# Altium PCB STMF1.PcbDoc
Units mm, origin at the board's own origin, x right, y up, seen from the top; angles counter-clockwise.
Board outline 131.62 x 119.43 mm, 2 copper layers (Top Layer, Bottom Layer); 94 components, 177 nets, 333 pads, 142 vias.
Unrouted connection lines stored in the file: 1.
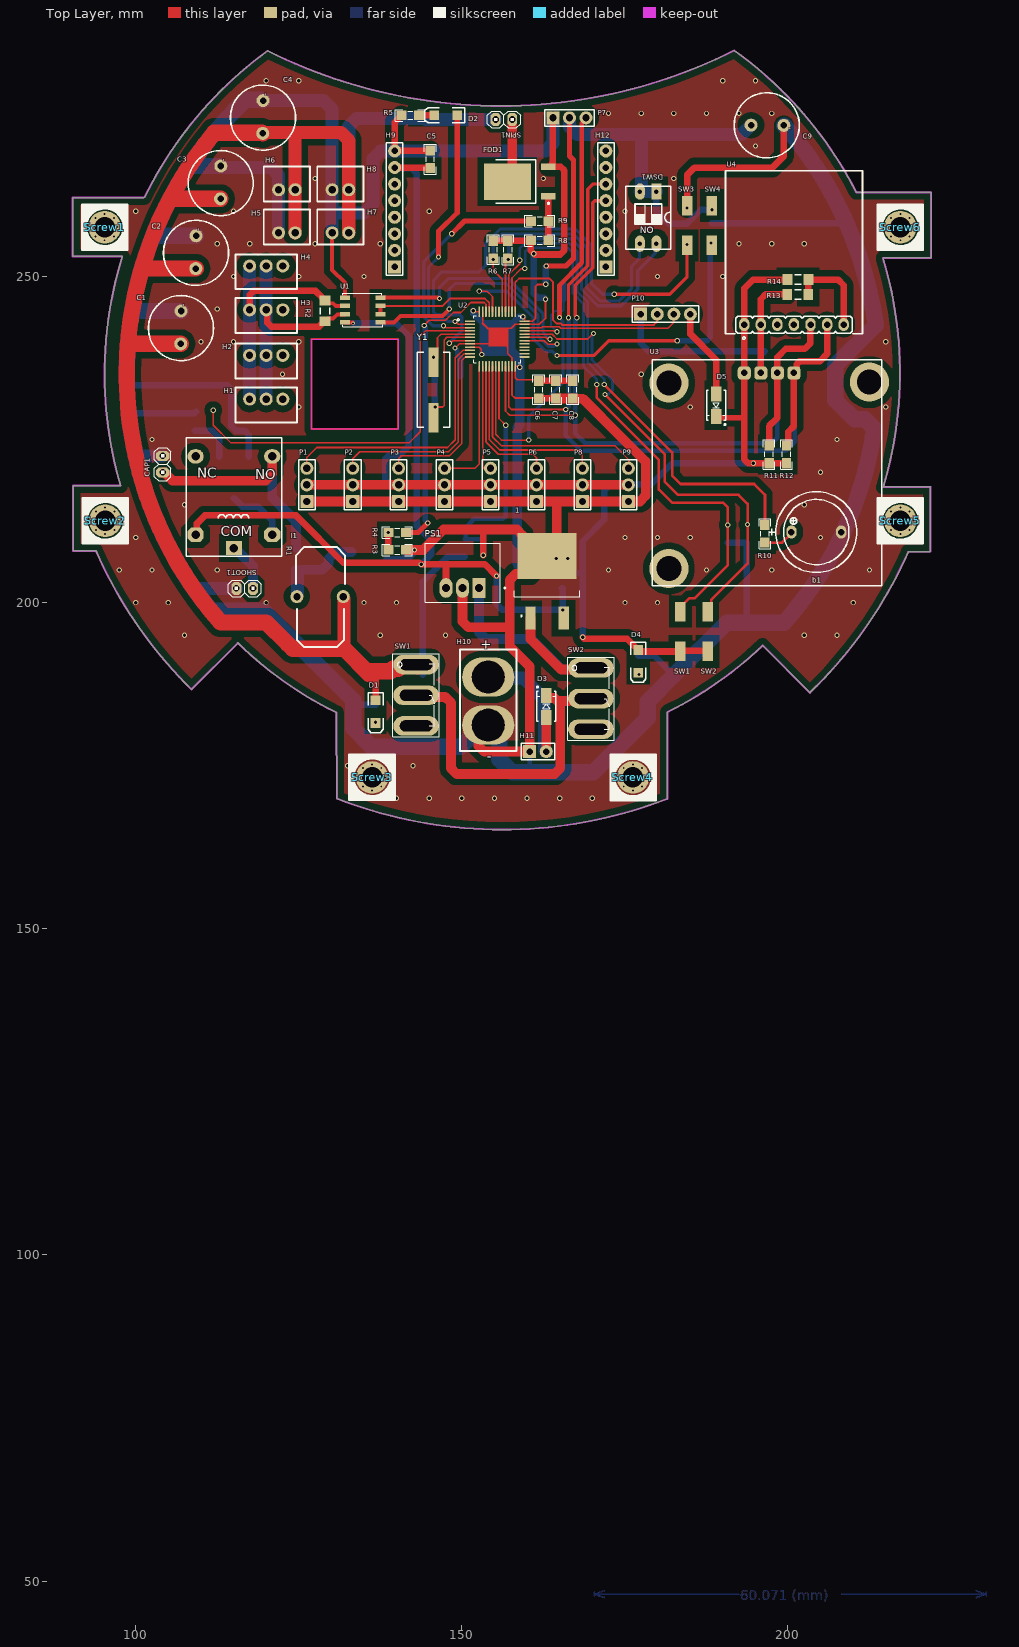
[diagram p0: Top Layer view]
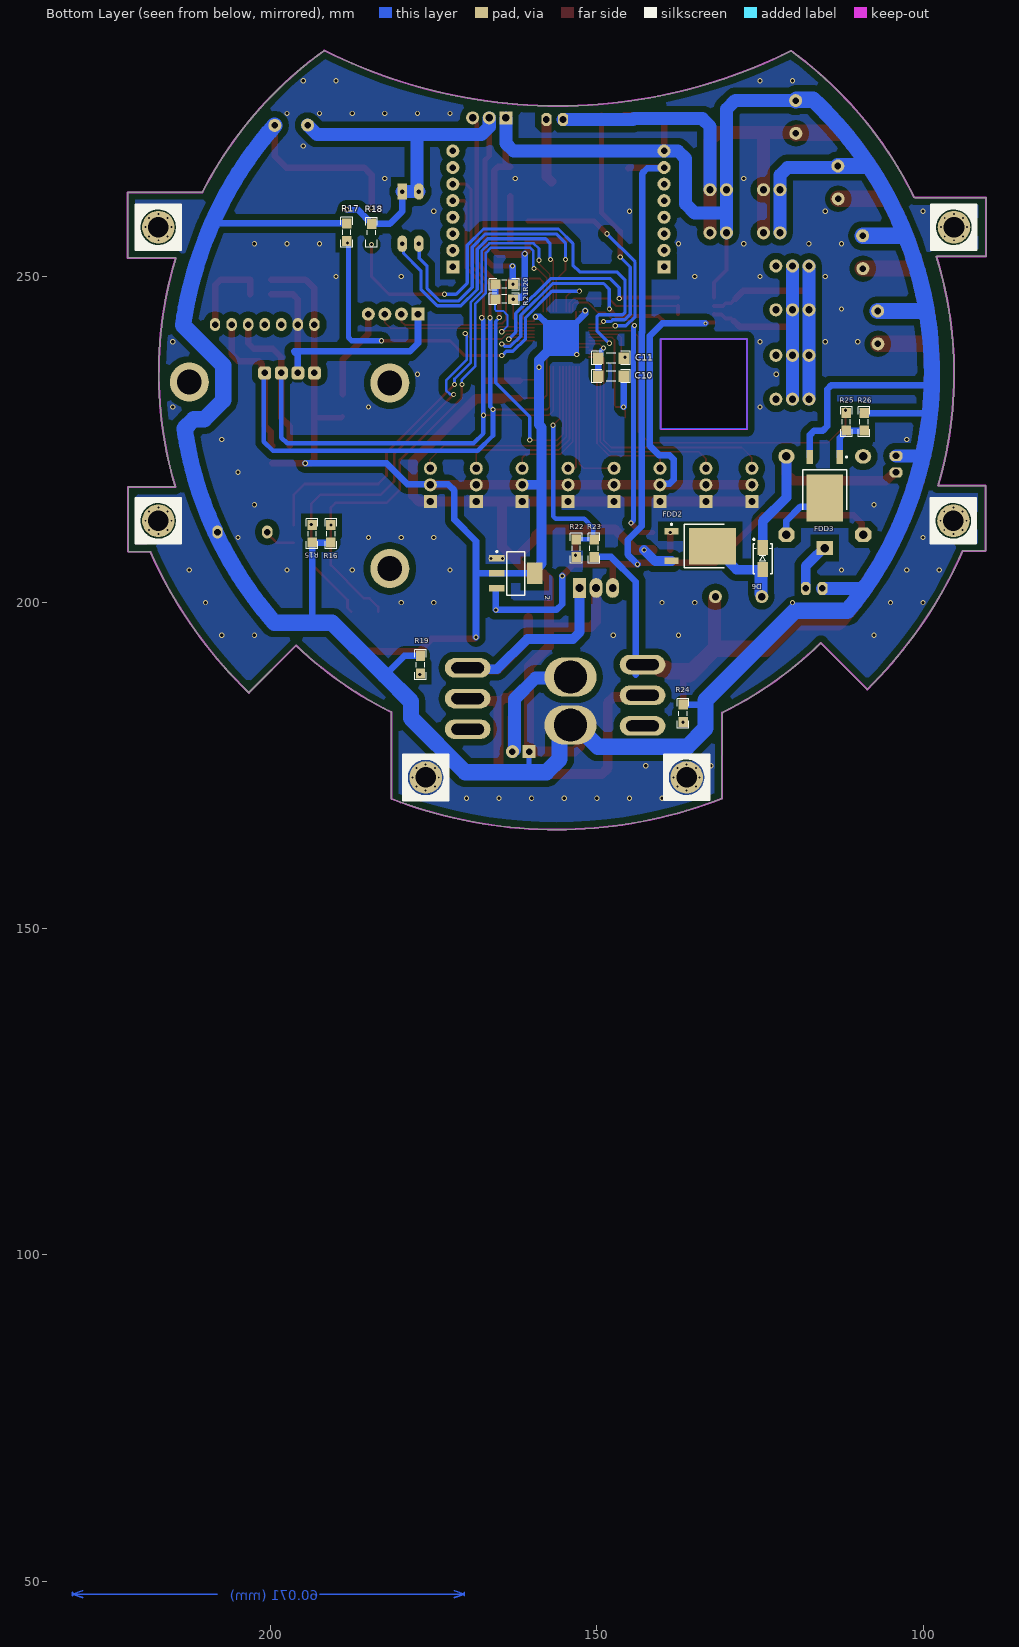
[diagram p1: Bottom Layer view, seen from below]
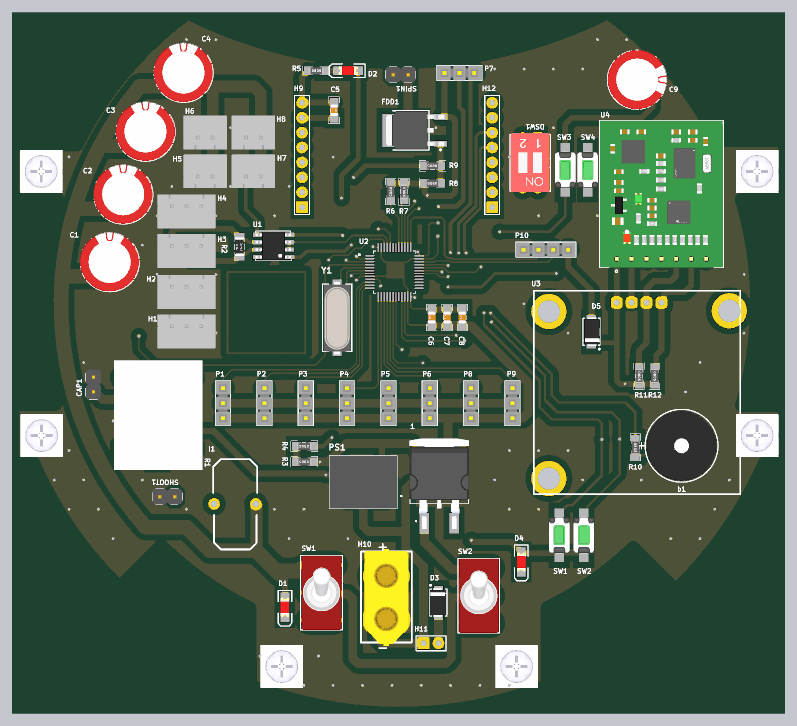
[diagram p2: 3D render of the assembled board from above, using the file's embedded part models]
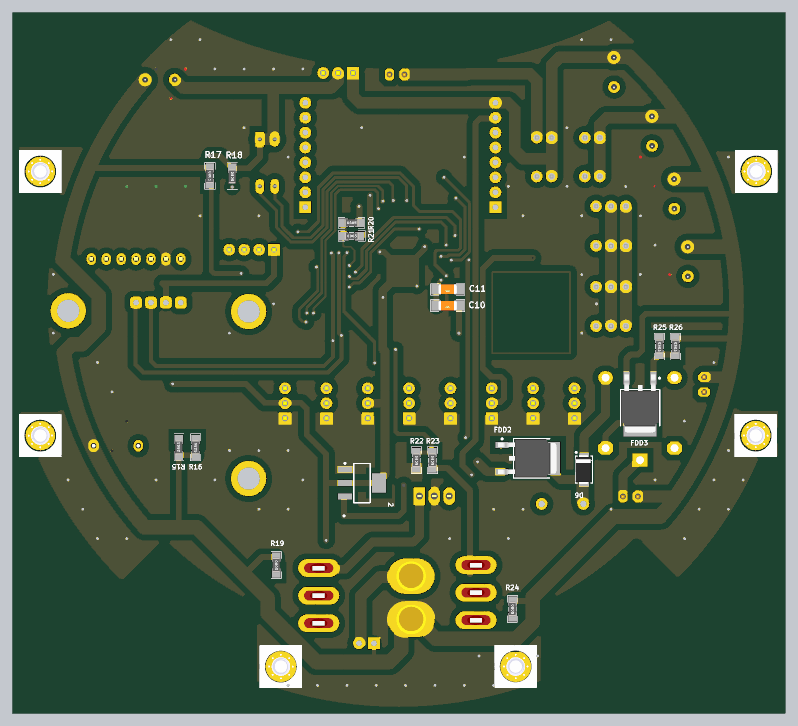
[diagram p3: 3D render of the assembled board from below, using the file's embedded part models]

## Layer stack, top to bottom
Top Solder: solder mask 0.0102, Solder Resist, Dk 3.5
Top Layer: signal copper 0.0356
Dielectric 1: dielectric 0.32, FR-4, Dk 4.8
Bottom Layer: signal copper 0.0356
Bottom Solder: solder mask 0.0102, Solder Resist, Dk 3.5

## Board outline
108.573,186.678 cw(c156.21,235.204) 93.933,207.898 93.878,207.95 90.449,207.95 90.424,207.941 90.424,217.932 97.688,217.932 97.691,217.917 cw(c156.235,235.052) 97.946,253.034 97.917,253.06 90.348,253.06 90.348,262.052 90.322,262.103 101.244,262.103 101.367,262.143 cw(c156.134,235.28) 120.203,284.575 120.213,284.596 ccw(c155.938,355.877) 191.743,284.635 191.803,284.623 cw(c156.185,235.102) 210.486,262.893 210.541,262.89 221.945,262.89 221.945,252.857 221.894,252.832 214.579,252.832 214.582,252.721 cw(c156.159,235.179) 214.619,217.758 214.604,217.736 221.868,217.753 221.844,217.754 221.844,207.797 218.415,207.797 218.44,207.791 cw(c156.21,235.204) 203.426,186.269 203.352,186.182 196.101,193.434 196.102,193.433 cw(c156.024,235.151) 181.557,183.241 181.508,183.231 181.508,169.926 181.413,169.898 cw(c156.21,235.204) 130.84,169.963 130.835,169.977 130.785,183.155 130.691,183.193 cw(c156.235,235.204) 115.644,193.852 115.621,193.751
cut-out: 126.975,226.593 126.975,240.411 140.233,240.411 140.233,226.593

## Design rules (kind name [scope] priority, off if disabled: settings)
Clearance [All] p1: gap=1 ignorepadtopadclearanceinfootprint=FALSE except(0.25: Arc-Arc Arc-Track Arc-SMDPad Track-Track Track-SMDPad SMDPad-SMDPad; 0.254: Arc-THPad Arc-Via Arc-Text Arc-Hole Track-THPad Track-Via Track-Text Track-Hole SMDPad-THPad SMDPad-Via SMDPad-Text SMDPad-Hole THPad-THPad THPad-Via THPad-Text THPad-Hole Via-Via Via-Text Via-Hole Text-Text Text-Hole; 0.5: Fill-Text Fill-Hole Poly-Text Poly-Hole Region-Text Region-Hole)
ComponentClearance [All] p1 off: gap=0.254 collisioncheckmode=3 verticalgap=0.254 showdistances=FALSE
Height [All] p1 off: minheight=0 maxheight=25.4 prefheight=12.7
PolygonConnect [All] p1: connectstyle=Direct reliefconductorwidth=0.5 reliefentries=4 polygonreliefangle="90 Angle" airgapwidth=0.5
RoutingVias [All] p1: holewidth=0.3 width=0.6 viastyle="Through Hole" minholewidth=0.25 minwidth=0.25 maxholewidth=1 maxwidth=1
SolderMaskExpansion [All] p1: expansion=0.102 istentingtop=FALSE
Width [All] p1: maxlimit=10 minlimit=0.25 preferedwidth=0.8
28 further rules are at their usual default settings.

## Components (designator, comment, footprint, x,y, rotation, side; value= is the part's Value field where it differs from the comment)
1 "" VREG_L7805ACD2T 163.068,204.324 r90 top
2 "Comment" SOT223_N 162.433,204.47 r180 bottom
b1 "Comment" "BUZZER 7.62mm DC" 204.343,210.82 r0 top
C1 "Comment" "MY_CAP_POL 10MM" 106.934,242.189 r90 top
C2 "Comment" "MY_CAP_POL 10MM" 109.24,253.723 r90 top
C3 "Comment" "MY_CAP_POL 10MM" 113.03,264.414 r90 top
C4 "Comment" "MY_CAP_POL 10MM" 119.507,274.447 r90 top
C5 "Comment" CAPC3413X12N 145.161,267.97 r270 top
C6 "Comment" CAPC3413X12N 161.798,232.664 r90 top
C7 "Comment" CAPC3413X12N 164.401,232.664 r90 top
C8 "Comment" CAPC3413X12N 167.005,232.664 r90 top
C9 "Comment" "MY_CAP_POL 10MM" 196.85,273.177 r0 top
C10 "0.1uF" CAPC4817X12N 147.828,234.696 r0 bottom (schematic designator C12)
C11 "0.1uF" CAPC4817X12N 147.828,237.49 r0 bottom
CAP1 "Comment" My_1X02 104.14,222.504 r90 top
D1 "SMD 1206 LED" "LED 1206" 136.779,183.289 r270 top (schematic designator D2)
D2 "SMD 1206 LED" "LED 1206" 147.537,274.706 r180 top
D3 "1n4007" DIOM4629X24N 162.941,184.101 r90 top
D4 "SMD 1206 LED" "LED 1206" 177.038,191.008 r270 top (schematic designator D2)
D5 "1n4007" DIOM4629X24N 188.976,230.251 r270 top
D6 "1n4007" DIOM4629X24N 124.587,206.756 r90 bottom (schematic designator D3)
DSW1 "Comment" "DIP Switch x2" 179.832,263.017 r180 top
FDD1 "Comment" TO252-3M 158.875,264.541 r180 top
FDD2 "Comment" TO252-3M 134.157,208.667 r180 bottom locked
FDD3 "Comment" TO252-3M 115.062,217.932 r270 bottom
H1 "Comment" "XH 3PIN" 120.015,230.302 r180 top
H2 "Comment" "XH 3PIN" 120.015,237.024 r180 top
H3 "Comment" "XH 3PIN" 120.015,244.001 r180 top
H4 "Comment" "XH 3PIN" 120.015,250.723 r180 top
H5 "Comment" "XH 2pin" 123.19,257.581 r0 top
H6 "Comment" "XH 2pin" 123.19,264.185 r0 top
H7 "Comment" "XH 2pin" 131.394,257.581 r0 top
H8 "Comment" "XH 2pin" 131.394,264.185 r0 top
H9 "Comment" HDR1X8 139.7,251.46 r90 top locked
H10 "Comment" XT60 154.051,186.436 r0 top
H11 "Comment" HDR1X2 160.401,177.165 r0 top
H12 "Comment" HDR1X8 172.085,251.46 r90 top locked
I1 "Comment" inductor 128.27,201.041 r0 top
P1 "Header 3" HDR1X3 126.238,215.519 r90 top (schematic designator P8)
P2 "Header 3" HDR1X3 133.279,215.519 r90 top (schematic designator P8)
P3 "Header 3" HDR1X3 140.321,215.519 r90 top (schematic designator P8)
P4 "Header 3" HDR1X3 147.362,215.519 r90 top (schematic designator P8)
P5 "Header 3" HDR1X3 154.404,215.519 r90 top (schematic designator P9)
P6 "Header 3" HDR1X3 161.445,215.519 r90 top (schematic designator P10)
P7 "Header 3" HDR1X3 163.957,274.32 r0 top (schematic designator P13)
P8 "Header 3" HDR1X3 168.487,215.519 r90 top (schematic designator P11)
P9 "Header 3" HDR1X3 175.528,215.519 r90 top (schematic designator P12)
P10 "Header 4" HDR1X4 177.419,244.221 r0 top (schematic designator P6)
PS1 "K7805-2000R3" CONV_K7805-2000R3 150.114,204.597 r180 top
R1 "Comment" "Relay 18.85x15.35x15.70" 115.062,215.392 r0 top
R2 "SMD" "Resistor SMD 1206" 129.032,244.729 r90 top (schematic designator RES5)
R3 "Comment" RESC3413X04N#1 140.081,208.085 r180 top
R4 "Comment" RESC3413X04N#1 140.081,210.752 r180 top
R5 "1K" RESC3413X04N#1 142.113,274.701 r0 top (schematic designator R22)
R6 "Comment" RESC3413X04N#1 154.813,254.127 r270 top
R7 "Comment" RESC3413X04N#1 157.066,254.105 r270 top
R8 "Comment" RESC3413X04N#1 161.925,255.536 r180 top
R9 "Comment" RESC3413X04N#1 161.925,258.496 r180 top
R10 "Comment" RESC3413X04N#1 196.469,210.544 r270 top
R11 "1K" RESC3413X04N#1 197.102,222.711 r270 top (schematic designator R34)
R12 "1K" RESC3413X04N#1 199.771,222.711 r270 top (schematic designator R35)
R13 "SMD" "Resistor SMD 1206" 201.498,247.244 r0 top (schematic designator RES3)
R14 "SMD" "Resistor SMD 1206" 201.524,249.53 r180 top (schematic designator RES2)
R15 "1K" RESC3413X04N#1 193.642,210.544 r90 bottom (schematic designator R22)
R16 "Comment" RESC3413X04N#1 190.768,210.544 r270 bottom
R17 "1K" RESC3413X04N#1 188.341,256.794 r270 bottom (schematic designator R23)
R18 "1K" RESC3413X04N#2 184.531,256.737 r270 bottom (schematic designator R24)
R19 "1K" RESC3413X04N#1 177.038,190.5 r270 bottom (schematic designator R22)
R20 "Comment" RESC3413X04N#1 164.211,248.793 r180 bottom
R21 "Comment" RESC3413X04N#1 164.189,246.54 r180 bottom
R22 "Comment" RESC3413X04N#1 153.155,208.348 r270 bottom
R23 "Comment" RESC3413X04N#1 150.429,208.348 r270 bottom
R24 "1K" RESC3413X04N#1 136.779,183.007 r270 bottom (schematic designator R22)
R25 "Comment" RESC3413X04N#1 111.76,227.711 r270 bottom
R26 "Comment" RESC3413X04N#1 109.034,227.711 r270 bottom
Screw1 "Screw" Screw 95.254,257.552 r0 top locked
Screw2 "Screw" Screw 95.335,212.552 r0 top
Screw3 "Screw" Screw 136.235,173.206 r90 top locked
Screw4 "Screw" Screw 176.235,173.206 r0 top locked
Screw5 "Screw" Screw 217.217,212.552 r0 top locked
Screw6 "Screw" Screw 217.217,257.552 r0 top locked
SHOOT1 "Comment" My_1X02 117.983,202.184 r0 top
SPIN1 "Comment" My_1X02 157.734,274.066 r0 top
SW1 "Comment" SMD_ALPS_SKQMBBE010#1 183.515,195.58 r270 top
SW1 "Comment" "Switch SPDT - 500x270x1100x185 mil" 143.002,185.801 r0 top
SW2 "Comment" SMD_ALPS_SKQMBBE010#2 187.706,195.58 r270 top
SW2 "Comment" "Switch SPDT - 500x270x1100x185 mil" 169.799,185.293 r0 top
SW3 "Comment" SMD_ALPS_SKQMBBE010#1 184.531,257.81 r90 top
SW4 "Comment" SMD_ALPS_SKQMBBE010#1 188.341,257.81 r90 top
U1 "SN65LB" SOIC8 134.917,244.684 r180 top (schematic designator evajedi)
U2 "STM32F103C8T6" QFP50P900X900X160-48N 155.448,240.411 r0 top locked (schematic designator U5)
U3 "Comment" "SH1106 [ GND LEFT]" 173.99,199.263 r0 top locked
U4 "TDAxis12" TDAxis12 200.914,242.697 r0 top locked (schematic designator U2)
Y1 "12 MHz" "Crystal SMD" 145.669,232.605 r90 top

## Footprints (in the part's own frame and the unit in brackets; to place one, negate y for a bottom-side part, rotate by r counter-clockwise, add the part's x,y. Pads: shape width x height; smd on the part's side, far side on the other; paste and mask are expansions set on the pad)
"BUZZER 7.62mm DC" [mm] "BUZZER 12mm DIA , 7.62mm pitch DESIGNER ABBAS BASEREH"
  oval 1.6x2 hole 1: 1(-3.81,0) 2(3.81,0)
  silkscreen extent -7.3,-6.2 6.2,6.2, body extent -6,-6 6,6, height 9.5
CAPC3413X12N [mm] "Chip Capacitor, 2-Leads, Body 3/40x1/30mm, IPC Medium Density-Design:Abbas Basereh"
  rect 1.55x1.45 smd: 1(-1.35,0) 2(1.35,0)
  silkscreen extent -2.29,-0.89 2.29,0.89, body extent -1,-0.62 1,0.63, height 0.78
CAPC4817X12N [mm] "Chip Capacitor, 2-Leads, Body 4/80x1/70mm, IPC Medium Density-Design:Abbas Basereh"
  rect 1.65x1.75 smd: 1(-1.95,0) 2(1.95,0)
  silkscreen extent -2.92,-1.02 2.92,1.02, body extent -1.6,-0.8 1.6,0.8, height 1
CONV_K7805-2000R3 [mm]
  rect 2x3 hole 1.2: 1(-2.54,2.35)
  oval 2x3 hole 1.2: 2(0,2.35) 3(2.54,2.35)
  silkscreen extent -6.6,-4.5 5.75,4.5, body extent -5.75,-4.5 5.75,4.5, height 17.5
"Crystal SMD" [mm] "DESIGNER ABBAS BASEREH"
  rect 4.5x1.5 smd: 1(-4.25,0) 2(4.25,0)
  silkscreen extent -5.75,-2.5 5.75,2.5, body extent -6.21,-2.25 6.09,2.25, height 5.18
DIOM4629X24N [mm] "Molded Diode, 2-Leads, Body 4/60x2/90mm, IPC Medium Density-Design:Abbas Basereh"
  rect 2.3x1.6 smd: 1(-1.7,0) 2(1.7,0)
  silkscreen extent -2.3,-1.45 3.07,1.47, body extent -2.5,-1.22 2.5,1.48, height 2.2
"DIP Switch x2" [mm] "Switch DIP 2 way flat slide Thru-Hole-Design:Ali Hafizi"
  rect 1.5x2.5 hole 0.7: 1(0,0)
  oval 1.5x2.5 hole 0.7: 2(2.54,0) 3(2.54,8) 4(0,8)
  silkscreen extent -2.16,-0.82 4.71,8.83, body extent -1.98,-1.03 4.52,8.97, height 6.91
HDR1X2 [mm] "Connector; Header; 2 Position"
  rect 2x2 hole 1: 1(0,0)
  round 2 hole 1: 2(2.54,0)
  silkscreen extent -1.27,-1.27 3.81,1.27
HDR1X3 [mm] "Connector; Header; 3 Position"
  rect 2x2 hole 1.1: 1(0,0)
  round 2 hole 1.1: 2(2.54,0) 3(5.08,0)
  silkscreen extent -1.27,-1.27 6.35,1.27, body extent -1.26,-1.27 6.36,1.27, height 8.38
HDR1X4 [mm] "Connector; Header; 4 Position"
  rect 2x2 hole 1: 1(0,0)
  round 2 hole 1: 2(2.54,0) 3(5.08,0) 4(7.62,0)
  silkscreen extent -1.27,-1.27 8.89,1.27, body extent -1.27,-1.28 8.89,1.26, height 8.38
HDR1X8 [mm] "Connector; Header; 8 Position"
  rect 2x2 hole 1: 1(0,0)
  round 2 hole 1: 2(2.54,0) 3(5.08,0) 4(7.62,0) 5(10.16,0) 6(12.7,0) 7(15.24,0) 8(17.78,0)
  silkscreen extent -1.27,-1.27 19.05,1.27
inductor [mm]
  round 2 hole 1.1: 1(-3.556,-0.127) 2(3.556,-0.127)
  silkscreen extent -3.68,-7.87 3.81,7.49, body extent -4.15,-8.42 4.15,8.17, height 16.29
"LED 1206" [mm]
  rect 1.5x1.5 smd: 1(-1.75,0) 2(1.75,0)
  silkscreen extent -2.9,-1.15 3.2,1.15, body extent -1.65,-0.72 1.65,0.73, height 1.36
My_1X02 [mil]
  oct 60x80 hole 40: 1(-100,0) 2(0,0)
  silkscreen extent -150,-50 50,50, body extent -149,-51 51,49, height 234
"MY_CAP_POL 10MM" [mm]
  round 2 hole 1: +(-2.517,0.02) -(2.517,-0.02)
  silkscreen extent -5.09,-5 4.89,4.97, body extent -5.13,-5.07 5.03,5.09, height 10.16
QFP50P900X900X160-48N [mm]
  rrect50% 1.56x0.25 smd: 1(-4.18,2.75) 2(-4.18,2.25) 3(-4.18,1.75) 4(-4.18,1.25) 5(-4.18,0.75) 6(-4.18,0.25) 7(-4.18,-0.25) 8(-4.18,-0.75) 9(-4.18,-1.25) 10(-4.18,-1.75) 11(-4.18,-2.25) 12(-4.18,-2.75) 25(4.18,-2.75) 26(4.18,-2.25) 27(4.18,-1.75) 28(4.18,-1.25) 29(4.18,-0.75) 30(4.18,-0.25) 31(4.18,0.25) 32(4.18,0.75) 33(4.18,1.25) 34(4.18,1.75) 35(4.18,2.25) 36(4.18,2.75)
  rrect50% 0.25x1.56 smd: 13(-2.75,-4.18) 14(-2.25,-4.18) 15(-1.75,-4.18) 16(-1.25,-4.18) 17(-0.75,-4.18) 18(-0.25,-4.18) 19(0.25,-4.18) 20(0.75,-4.18) 21(1.25,-4.18) 22(1.75,-4.18) 23(2.25,-4.18) 24(2.75,-4.18) 37(2.75,4.18) 38(2.25,4.18) 39(1.75,4.18) 40(1.25,4.18) 41(0.75,4.18) 42(0.25,4.18) 43(-0.25,4.18) 44(-0.75,4.18) 45(-1.25,4.18) 46(-1.75,4.18) 47(-2.25,4.18) 48(-2.75,4.18)
  silkscreen extent -6.15,-3.6 3.6,3.6
"Relay 18.85x15.35x15.70" [mm]
  rect 2.5x2.2 hole 1.3: 1(0,-7.025)
  oval 2.5x2.2 hole 1.3: 2(-5.875,7.025) 3(5.875,7.025)
  oct 2.5x2.2 hole 1.3: 4(-5.875,-4.975) 5(5.875,-4.975)
  silkscreen extent -7.33,-8.27 7.33,9.88, body extent -7.37,-8.72 7.63,9.98, height 15.7
RESC3413X04N#1 [mm] "Chip Resistor, 2-Leads, Body 3/40x1/30mm, IPC Medium Density-Design:Abbas Basereh"
  rect 1.55x1.45 smd: 1(-1.35,0) 2(1.35,0)
  silkscreen extent -2.29,-0.89 2.29,0.89, body extent -1.25,-0.62 1.25,0.62, height 0.79
RESC3413X04N#2 [mm] "Chip Resistor, 2-Leads, Body 3/40x1/30mm, IPC Medium Density-Design:Abbas Basereh"
  rect 1.55x1.45 smd: 1(-1.35,0)
  rect 1.55x1.45 smd far side: 2(1.35,0)
  silkscreen extent -2.29,-0.89 2.29,0.89, body extent -1.25,-0.62 1.25,0.62, height 0.79
"Resistor SMD 1206" [mm]
  rect 1.5x1.7 smd: 1(-1.6,0) 2(1.6,0)
  silkscreen extent -0.5,-0.75 0.5,0.75, body extent -1.6,-0.8 1.6,0.8, height 0.55
Screw [mm]
  round 0.6 hole 0.3: S(-2,0) S(-1.414,-1.414) S(-1.414,1.414) S(0,-2) S(0,2) S(1.414,-1.414) S(1.414,1.414) S(2,0)
  round 5 hole 3.15 mask+0.1: S(0,0)
  silkscreen extent -3.49,-3.53 3.56,3.52, body extent -2.8,-2.8 2.8,2.8, height 3.88
"SH1106 [ GND LEFT]" [mm]
  rrect50% 2x2 hole 1: 1(21.844,35.941) 2(19.304,35.941) 3(24.384,35.941) 4(26.924,35.941)
  round 6 hole 3.8: 139(38.481,34.544) 140(7.747,34.417) 141(7.747,5.969)
  silkscreen extent 5.21,3.3 40.39,37.97, body extent 5.11,3.21 41.11,37.21, height 9.6
SMD_ALPS_SKQMBBE010#1 [mm] "Vertical 6.0X3.5 mm Compact Type (SurfaceMount) SKQM Series ; Height 5.0 mm ; 50,000 Cycles ; 1.57N Force"
  rect 3x1.6 smd mask-1.27: 1(-3.048,0) 2(3.048,0)
  body extent -3.15,-1.75 3.15,1.75, height 5.03
SMD_ALPS_SKQMBBE010#2 [mm] "Vertical 6.0X3.5 mm Compact Type (SurfaceMount) SKQM Series ; Height 5.0 mm ; 50,000 Cycles ; 1.57N Force"
  rect 3x1.6 smd mask-1.27: 1(-3.048,-0.03) 2(3.048,-0.03)
  body extent -3.15,-1.75 3.15,1.75, height 5.03
SOIC8 [mm]
  rect 1.524x0.7 smd: 1(-2.624,1.733) 2(-2.624,0.463) 3(-2.624,-0.807) 4(-2.624,-2.077) 5(2.856,-2.077) 6(2.856,-0.807) 7(2.856,0.463) 8(2.856,1.733)
  silkscreen extent -2.93,-2.71 3.16,2.37, body extent -2.88,-2.62 3.12,2.28, height 1.75
SOT223_N [mm] "SOT223, 4-Leads, Body 6.5x3.5mm, Pitch 2.3mm, Lead Span 7mm, IPC Medium Density"
  rect 2.4x1 smd: 1(-2.9,2.3) 2(-2.9,0) 3(-2.9,-2.3)
  rect 2.4x3.3 smd: 4(2.9,0)
  silkscreen extent -3.03,-3.35 1.4,3.47, body extent -1.85,-3.35 1.85,3.35, height 1.7
"Switch SPDT - 500x270x1100x185 mil" [mm]
  oval 7x3 hole 1.7 slot 5 at 0 deg: 1(0,-4.699) 2(0,0) 3(0,4.699)
  silkscreen extent -3.56,-6.35 3.56,6.35, body extent -3.42,-6.35 3.44,6.35, height 28.62
TDAxis12 [mm] "Connector; Header; 7 Position"
  oval 1.6x2 hole 1 mask+0.1: 1(-7.62,-0.075) 2(-5.08,-0.075) 3(-2.54,-0.075) 4(0,-0.075) 5(2.54,-0.075) 6(5.08,-0.075) 7(7.62,-0.075)
  silkscreen extent -10.5,-2.35 10.5,23.5, body extent -10.5,-1.5 10.5,23.5, height 5.34
TO252-3M [mm] "D-PAK, 3-Pads, Body 6.2x6.7mm (max), IPC Low Density"
  rect 2.2x1 smd: 1(-4.4,2.28) 3(-4.4,-2.28)
  rect 7.2x5.6 smd: 4(1.9,0)
  silkscreen extent -4.52,-3.35 3.7,3.45, body extent -5.06,-3.27 4.88,3.27, height 2.39
VREG_L7805ACD2T [mm]
  rect 3.5x1.6 smd: 1(-6.7,2.54) 3(-6.7,-2.54)
  rect 7x9 smd paste-7: 4(2.813,0)
  silkscreen extent -6.48,-5 -2.51,5, body extent -7.71,-5.1 7.71,5.1, height 4.6
"XH 2pin" [mm]
  round 2 hole 1.1: 1(-1.27,-0.889) 2(1.27,-0.889)
  silkscreen extent -3.56,-2.67 3.56,2.67, body extent -3.7,-2.88 3.7,2.88, height 7
"XH 3PIN" [mm]
  round 2 hole 1.1: 1(-2.54,-0.889) 2(0,-0.889) 3(2.54,-0.889)
  silkscreen extent -4.7,-2.67 4.7,2.67, body extent -4.95,-2.88 4.95,2.88, height 7
XT60 [mm]
  oval 8x6 hole 5: 1(0,2.159) 2(0,-5.207)
  silkscreen extent -4.32,-9.14 4.32,6.35, body extent -3.75,-9.72 3.75,6.83, height 16

## Part data
C10 C11: library part "CAP SMD 1206", "CAP 1206", Data=16-12-2016, Desc.="CAP SMD 1206", Designer="Abbas Basereh"
D1 D2 D4: library part "LED SMD 1206"
D3 D5 D6: library part "1n4007 SMD M7", "Standard Rectifiers", Manufacturer="DC COMPONENTS", Data=16-12-2016, Designer="Abbas Basereh", Link=http://www.tme.eu/en/details/m7/smd-universal-diodes/dc-components/, Part. No=M7
P1 P2 P3 P4 P5 P6 P7 P8 P9: "Header, 3-Pin", LatestRevisionDate=17-Jul-2002, LatestRevisionNote="Re-released for DXP Platform.", Publisher="Altium Limited"
P10: "Header, 4-Pin", LatestRevisionDate=17-Jul-2002, LatestRevisionNote="Re-released for DXP Platform.", Publisher="Altium Limited"
PS1: "éžçµ¶ç¸åž‹ PoL ãƒ¢ã‚¸ãƒ¥ãƒ¼ãƒ« DC DC ã‚³ãƒ³ãƒãƒ¼ã‚¿ 1 å‡ºåŠ› 5V 2A 8V - 36V å…¥åŠ›", Package="SIP-3-3 MORNSUN", Check_prices=https://www.snapeda.com/parts/K7805-2000R3/MORNSUN/view-part/5366399/?ref=eda, Digi-Key_Part_Number=2725-K7805-2000R3-ND, MF="Mornsun America, LLC", MP=K7805-2000R3, SnapEDA_Link=https://www.snapeda.com/parts/K7805-2000R3/MORNSUN/view-part/5366399/?ref=snap
R2 R13 R14: library part "Res SMD"
R5 R11 R12 R15 R17 R18 R19 R24: library part "RES 0805 0.125W", "RES 0805", Data=16-12-2016, Desc.="RES SMD 0805", Designer="Abbas Basereh"
U2: "Mainstream Performance line, ARM Cortex-M3 MCU with 64 Kbytes Flash, 72 MHz CPU, motor control, USB and CAN", Package=None, Availability=Unavailable, MP=STM32F103C8T6, Price=None
U4: "Module, 12 Axis IMU, I2C UART Output"
Y1: library part XTAL, "XTAL Crystal", ComponentLink1Description=Datasheet, ComponentLink2Description=Reference, Design Date=2017-1-3, Designer="ABBAS BASEREH", Mounting Technology="Surface Mount\Through-Hole", Status=Unreleased
Screw1 Screw2 Screw3 Screw4 Screw5 Screw6: LatestRevisionDate=17-Jul-2002, LatestRevisionNote="Re-released for DXP Platform.", Publisher="Altium Limited"

## Via types
v1: diameter 0.8, hole 0.5, Top Layer to Bottom Layer, tented both sides, 141 vias
v2: diameter 0.6, hole 0.3, Top Layer to Bottom Layer, tented both sides, 1 vias
